# Altium PCB MODULE_4x100_RJ45_V1.0.PcbDoc (part 2 of 2)
Units mm, origin at the board's own origin, x right, y up, seen from the top; angles counter-clockwise.
Board outline 87.3 x 95.5 mm, 4 copper layers (Top Layer, Int1 (GND), Int2 (PWR), Bottom Layer), stack 1.369 mm thick; 187 components, 140 nets, 657 pads, 222 vias.
Unrouted connection lines stored in the file: 3.
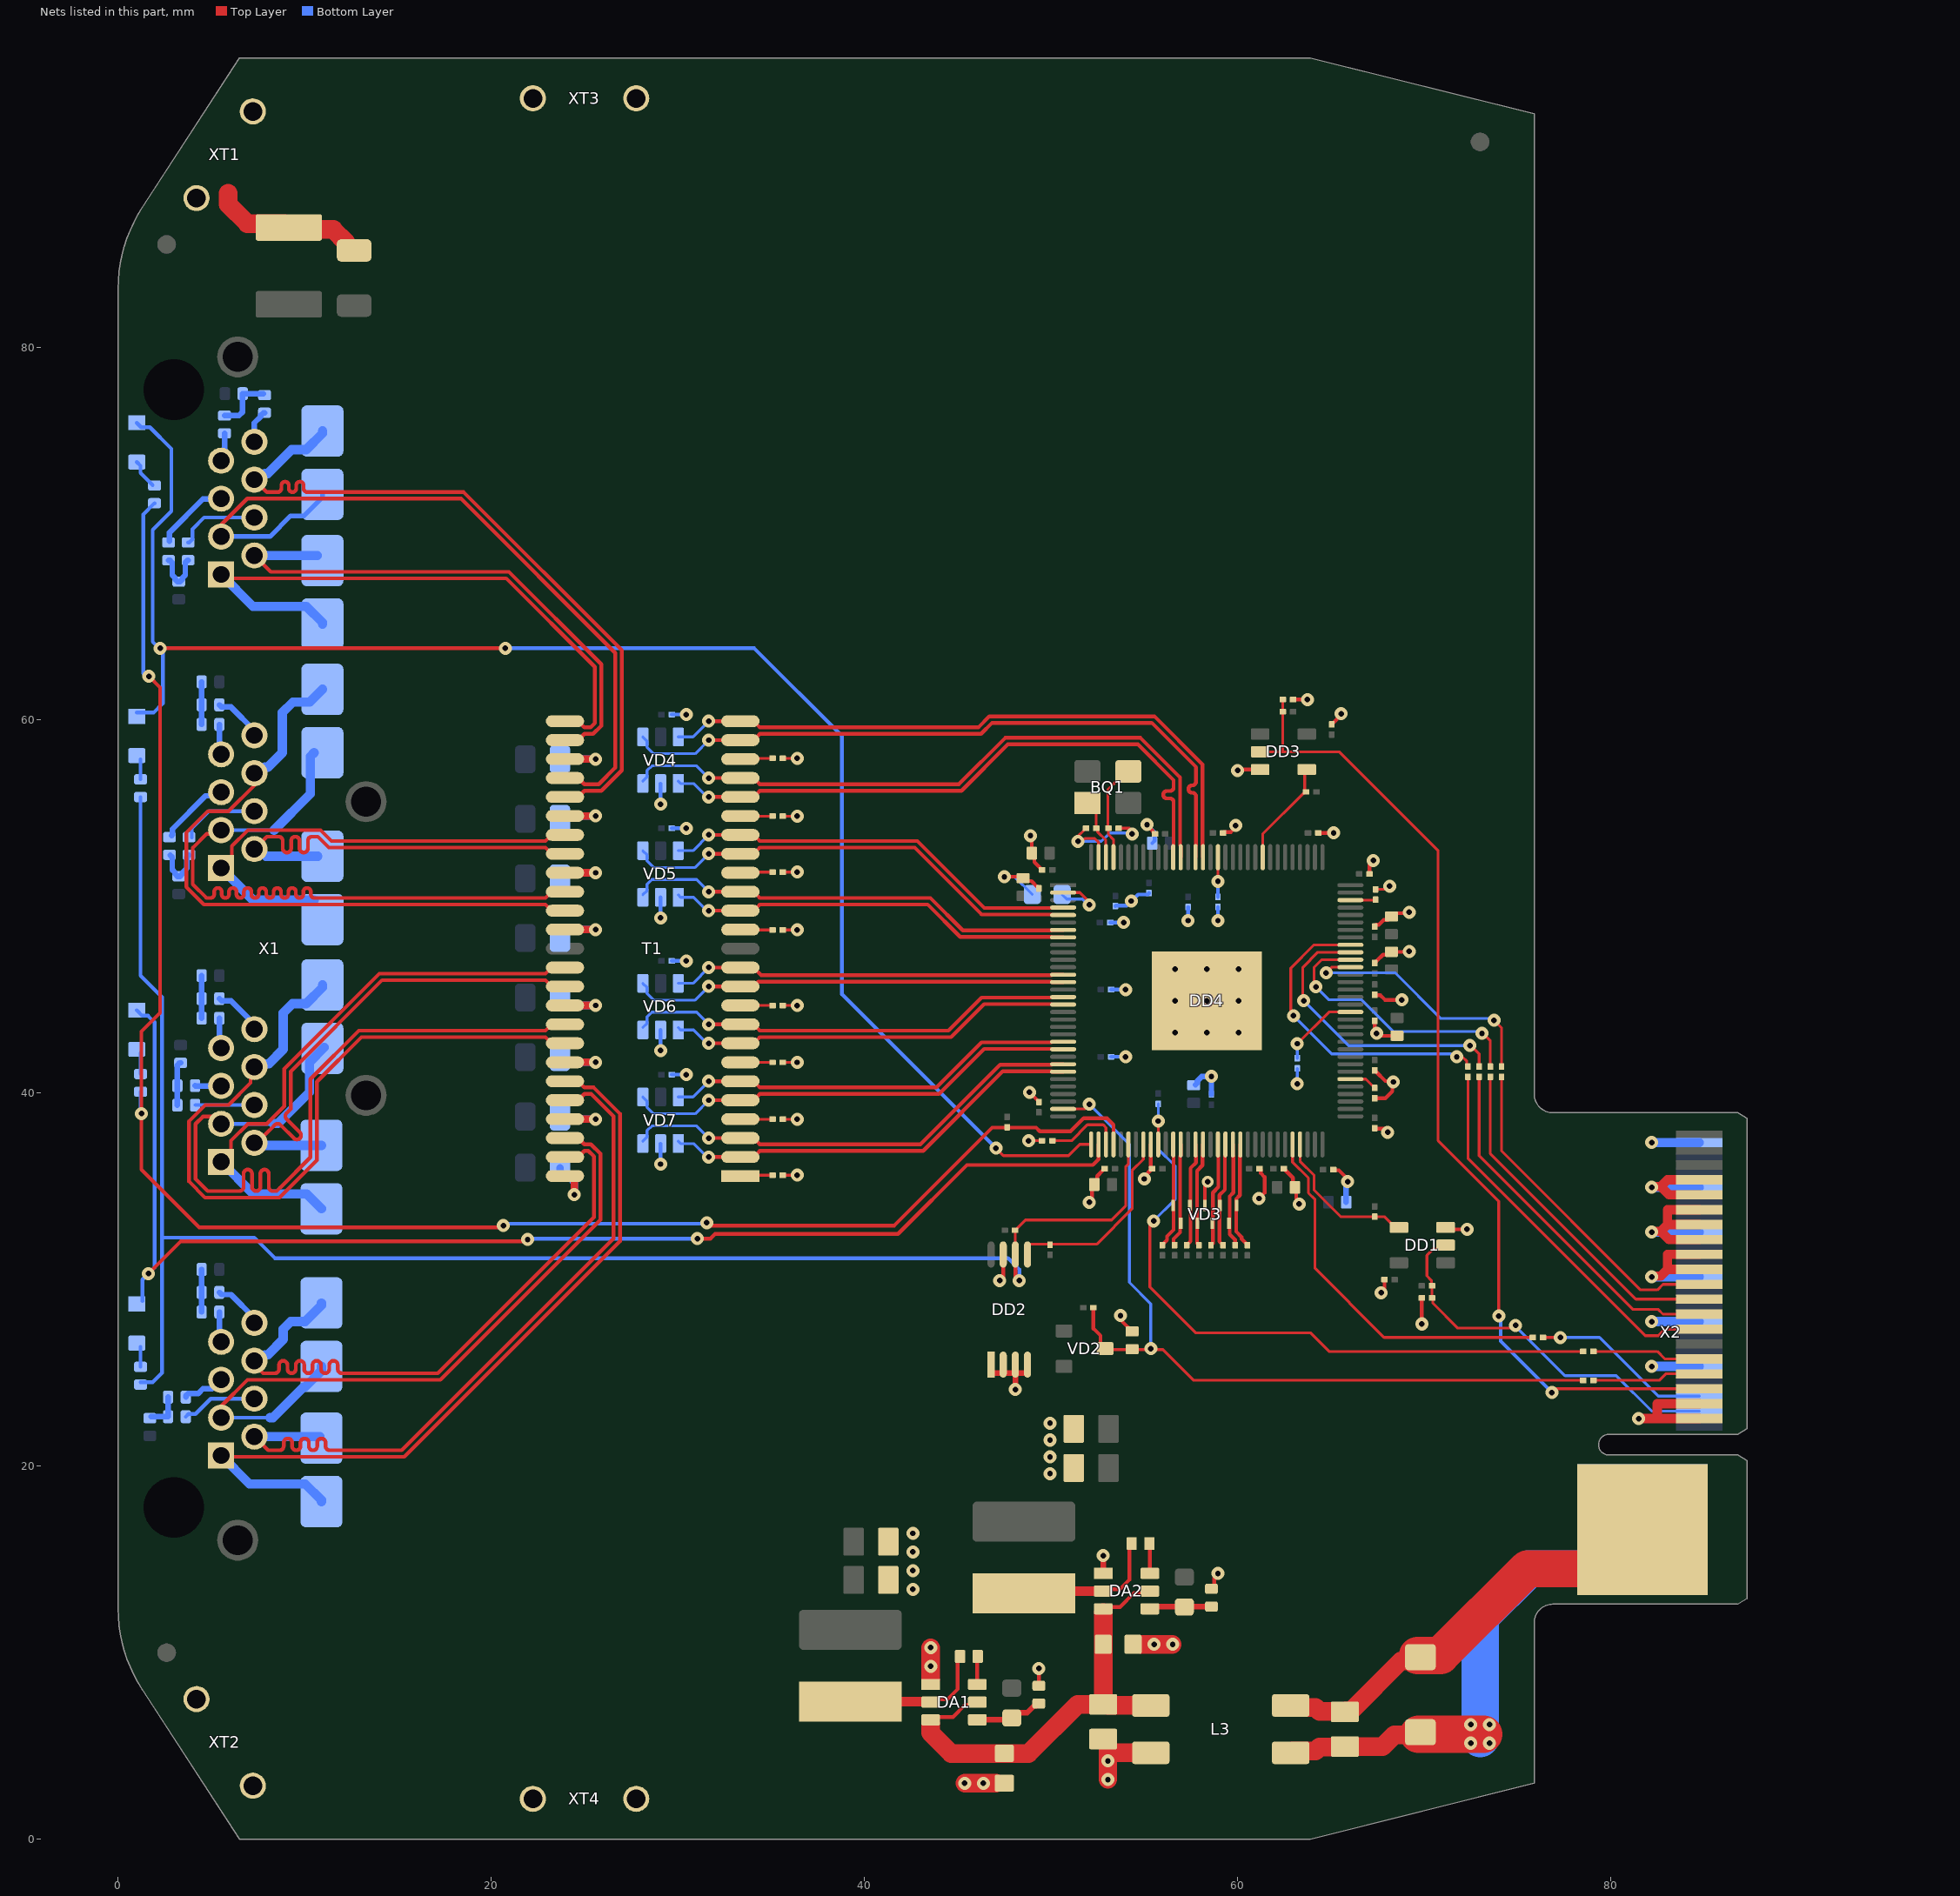
[diagram p4: the nets of this part, all layers, seen from the top]

## Via types
v1: diameter 0.7, hole 0.3, Top Layer to Bottom Layer, tented both sides, 212 vias
v2: diameter 0.7, hole 0.3, Top Layer to Bottom Layer, tented bottom, 9 vias
v3: diameter 0.65, hole 0.3, Top Layer to Bottom Layer, tented both sides, 1 vias

## Nets (pads, with @x,y where several pads share a name; then routed paths per layer and width w, separated by ;. In a path a pad name is that pad's centre, name@x,y a point inside that pad or via, vN(x,y) a via of type N, cw(c..) or ccw(c..) an arc to the next point about the centre after c; other vN are vias at no path point) (continued)
GND: C1.2 C2.2 C6.2 C7.2 C8.1 C9.2 C10.2 C11.2 C12.1 C13.2 C14.1 C15.1 C16.2 C17.1 C18.1 C19.1 C20.2 C21.2 C22.1 C23.1 C26.2 C27.1 C28.1 C29.2 C30.1 C31.1 C32.2 C33.1 C34.1 C35.2 C36.2 C37.1 C38.2 C39.1 C40.2 C41.1 C42.1 C43.1 C44.1 C45.1 C46.1 C47.1 C48.1 C49.1 C50.1 C59.2 C60.2 C61.2 C62.2 C63.2 C64.2 C65.2 C66.2 C67.2 C68.2 C69.2 C70.2 DA1.1 DA2.1 DD1.3 DD2.1 DD2.2 DD2.3 DD2.4 DD2.7 DD3.3 DD4.41 DD4.EP L3.4 R2.2 R4.2 R9.2 R13.2 R23.2 R24.2 R25.1 R26.1 R27.1 R28.2 VD3.3 VD4.2 VD5.2 VD6.2 VD7.2 X2.1 X2.3 X2.10 X2.16 X2.21 X2.22 X2.23 X2.25 X2.27 X2.28 X2.29 X2.31 X2.33 X2.34 X2.40 | length 121.5
  Top Layer w0.15: C70.2@35.625,35.6 v1(36.4,35.6) ; C69.2@35.625,38.6 v1(36.4,38.6) ; C68.2@35.625,41.65 v1(36.4,41.65) ; C67.2@35.625,44.7 v1(36.4,44.7) ; C66.2@35.625,48.75 v1(36.4,48.75) ; C65.2@35.625,51.85 v1(36.4,51.85) ; C64.2@35.625,54.85 v1(36.4,54.85) ; C63.2@35.625,57.95 v1(36.4,57.95) ; v1(48.8,37.45) R28.2@49.525,37.45 ; R26.1@67.4,50.925 67.975,50.925 v1(68.15,51.1)
  Top Layer w0.2: v1(47.25,29.95) 47.44,30.14 DD2.7@47.44,31.346 ; v1(47.5,51.6) 48.425,51.6 C48.1@48.5,51.525 48.656,51.369 48.956,51.369 49.275,51.05 49.3,51.05 49.35,51 C44.1@49.35,50.975 ; v1(48.85,40.05) 49.35,39.55 C26.2@49.35,39.525 ; v1(48.9,53.8) 48.975,53.725 C21.2@48.975,52.87 49.109,52.737 49.109,52.391 49.195,52.305 49.195,52.3 49.45,52.045 49.45,52.02 49.5,51.97 C29.2@49.525,51.97 ; R2.2@49.35,8.225 v1(49.35,9.15) ; v1(52.05,34.15) 52.2,34.3 52.2,34.975 C13.2@52.325,35.1 52.481,35.256 52.481,35.556 52.8,35.875 52.8,35.9 52.85,35.95 C16.2@52.875,35.95 ; v1@53.75,28.1 v1(53.725,28.075) 53.725,27.85 54.105,27.47 54.105,27.4 54.28,27.225 C19.1@54.35,27.225 ; v1@55.05,35.35 55.05,35.575 55.35,35.875 55.35,35.9 C35.2@55.4,35.95 ; v1(55.15,54.4) 55.15,54.362 55.475,54.037 55.475,53.975 55.55,53.9 C17.1@55.575,53.9 ; DD4.41@55.35,37.25 55.35,36 C35.2@55.4,35.95 ; C35.2@55.425,35.95 C35.2@55.4,35.95 ; VD3.3@58.25,33.975 58.25,35.1 v3(58.4,35.25) ; R4.2@58.6,13.425 58.75,13.575 58.75,14 v1@58.95,14.2 ; C34.1@59.225,53.95 59.275,54 59.417,54 59.65,54 v1@59.9,54.25 ; v1@60,57.35 DD3.3@61.21,57.35 ; C38.2@61.175,35.95 61.2,35.95 61.25,35.9 61.25,35.7 61.45,35.5 61.45,34.65 v1@61.2,34.4 ; C41.1@62.475,35.95 62.5,35.95 62.55,35.9 62.55,35.875 62.969,35.456 62.969,35.056 C42.1@63.075,34.95 63.15,34.875 63.15,34.2 v1(63.3,34.05) ; R13.2@62.975,61.1 v1(63.75,61.1) ; C30.1@64.325,53.95 v1(65.15,53.95) ; C20.2@65.05,59.775 65.05,59.8 65.1,59.85 65.125,59.85 65.55,60.275 v1(65.55,60.338) v1@65.55,60.4 ; C18.1@65.135,35.9 65.168,35.867 65.433,35.867 65.9,35.4 v1(65.9,35.25) ; C37.1@67.075,51.75 v1@67.075,52.475 ; R25.1@67.35,39.725 67.925,39.725 68.3,40.1 68.3,40.65 67.925,40.65 67.425,41.15 67.4,41.15 67.35,41.2 C15.1@67.35,41.225 ; C50.1@67.35,45.275 67.378,45.247 67.653,45.247 67.9,45 v1@68.7,45 ; C40.2@67.35,38.1 v1@68.05,38.1 ; C36.2@67.35,43.875 67.35,43.4 v1@67.55,43.2 ; C33.1@67.35,46.975 67.35,47 67.425,47.075 67.45,47.075 67.797,47.422 68.097,47.422 C31.1@68.25,47.575 v1@69.175,47.575 ; C28.1@67.35,48.925 67.35,48.95 67.425,49.025 67.575,49.025 67.835,49.285 68.06,49.285 C23.1@68.25,49.475 68.425,49.65 69.15,49.65 v1(69.2,49.7) ; v1@67.585,43.2 67.71,43.075 C32.2@68.55,43.075 ; v1(67.7,29.3) 67.875,29.475 C11.2@67.875,29.95 ; v1(69.875,27.625) R9.2@69.875,29.02 ; DD1.3@71.15,32.8 71.25,32.7 v1(72.3,32.7)
  Top Layer w0.3: DD2.1@46.79,24.996 DD2.3@48.09,24.996 ; v1(48.09,24.11) DD2.3@48.09,24.996 ; DD2.3@48.09,25.446 DD2.3@48.09,24.996 ; DD2.4@48.74,24.996 DD2.3@48.09,24.996 ; DA2.1@52.8,14.25 v1(52.8,15.2)
  Top Layer w0.5: v1(81.5,22.55) 82.5,22.55 ; v1(82.2,30.15) 82.238,30.188 82.688,30.188 83.05,30.55 ; v1(82.2,32.55) 82.238,32.588 82.688,32.588 ; v1(82.2,34.95) 82.238,34.988 82.688,34.988 ; X2.1@84.75,22.55 82.5,22.55 ; X2.3@84.75,23.35 82.5,23.35 82.5,22.55 ; X2.21@84.75,30.55 83.05,30.55 ; X2.23@84.75,31.35 83.05,31.35 83.05,30.55 ; X2.25@84.75,32.15 83.127,32.15 82.688,32.588 ; X2.27@84.75,32.95 83.05,32.95 ; X2.29@84.75,33.75 83.05,33.75 83.05,32.95 ; X2.31@84.75,34.55 83.127,34.55 82.688,34.988 ; X2.33@84.75,35.35 83.05,35.35 82.688,34.988 ; 82.688,32.588 83.05,32.95
  Top Layer w1: 43.55,8.6 v1(43.55,9.275) v1@43.55,10.25 ; v1@45.4,3 v1(46.375,3) C1.2@47.05,3 ; C8.1@52.8,5.37 53,5.37 53.05,5.32 53.05,4.63 ; v1@53.05,3.22 v1(53.05,4.195) 53.05,4.63 ; C2.2@54.85,10.45 v1(55.525,10.45) v1@56.5,10.45 ; L3.4@55.35,4.63 53.05,4.63
  Bottom Layer w0.15: v1(47.5,51.6) 48.05,51.6 R27.1@49,50.65 ; v1(63.2,40.5) R23.2@63.2,41.325
  Bottom Layer w0.2: v1(29.075,36.192) VD7.2@29.075,37.292 ; v1(29.075,42.288) VD6.2@29.075,43.388 ; v1(29.075,49.4) VD5.2@29.075,50.5 ; v1(29.075,55.496) VD4.2@29.075,56.596 ; C62.2@29.675,40.992 v1(30.45,40.992) ; C61.2@29.675,47.088 v1(30.45,47.088) ; C60.2@29.675,54.2 v1(30.45,54.2) ; C59.2@29.675,60.296 v1(30.45,60.296) ; C43.1@53.175,49.15 v1(53.9,49.15) ; C47.1@53.225,41.95 v1(54,41.95) ; C45.1@53.225,45.55 v1@53.9,45.55 ; C46.1@53.45,50.025 53.475,50.05 54.05,50.05 v1(54.3,50.3) 54.317,50.3 54.667,50.65 55.175,50.65 55.2,50.65 55.25,50.7 C39.1@55.25,50.725 ; v1(55.15,54.4) 55.55,54 55.55,53.525 C14.1@55.425,53.4 ; v1(57.35,49.25) C49.1@57.35,49.975 ; v1(58.95,49.25) R24.2@58.95,49.975
  Bottom Layer w0.3: C22.1@57.75,40.45 57.845,40.545 57.845,40.645 58.084,40.884 58.584,40.884 v1(58.6,40.9) ; C27.1@58.6,39.925 58.6,40.02 v1@58.6,40.8 ; C12.1@65.825,34.15 v1@65.825,35.175
  Bottom Layer w0.5: v1(82.2,25.35) X2.10@84.75,25.35 ; v1(82.2,27.75) X2.16@84.75,27.75 ; v1(82.2,30.15) X2.22@84.75,30.15 ; v1(82.2,32.55) X2.28@84.75,32.55 ; v1(82.2,34.95) X2.34@84.75,34.95 ; v1(82.2,37.35) X2.40@84.75,37.35
  other v1: 45.375,3 53.05,3.195 43.55,10.275 56.525,10.45 42.6,13.4 58.95,14.25 42.6,14.4 42.6,15.4 42.6,16.4 49.95,19.6 49.95,20.5 49.95,21.4 49.95,22.3 61.15,34.35 55,35.4 68.05,37.9 68.35,40.6 67.45,43.2 68.8,45 54,45.55 69.2,47.6 67.275,52.475 59.9,54.35 60,57.3
  other v2: 56.65,43.25 58.35,43.25 60.05,43.25 56.65,44.95 58.35,44.95 60.05,44.95 56.65,46.65 58.35,46.65 60.05,46.65
INT: R7.2 X2.9 | length 5.8
  Top Layer w0.15: R7.2@79.075,26.15 82.5,26.15 82.9,25.75 X2.9@84.75,25.75
LED0_A: DD4.36 R17.2 R29.1 R31.1 | length 95.3
  Top Layer w0.2: v1(1.65,62.35) 2.25,61.75 2.25,44.3 1.25,43.3 v1(1.25,38.9) 1.25,35.9 4.35,32.8 20.55,32.8 v1(20.65,32.9) ; v1@31.55,32.9 v1@31.7,32.9 ; v1(31.55,33.05) v1@31.7,32.9 ; DD4.36@53.35,37.25 53.35,38.3 53,38.65 51.75,38.65 51.05,37.95 49.4,37.95 49.2,38.15 46.85,38.15 41.6,32.9 v1@31.7,32.9
  Bottom Layer w0.2: R31.1@1.2,40.075 1.2,38.95 v1(1.25,38.9) ; v1@1.5,62.35 1.35,62.5 1.35,71.025 R29.1@1.95,71.625 ; v1(20.65,32.9) 20.746,32.996 21.013,32.996 21.017,33 v1@31.5,33
LED0_C: DD4.33 HL1.C HL2.C | length 87.9
  Top Layer w0.15: v1(47.05,37.05) 47.45,36.65 50.95,36.65 51.55,37.25 DD4.33@52.15,37.25
  Top Layer w0.2: v1(2.25,63.85) v1(20.75,63.85)
  Bottom Layer w0.2: HL2.C@1,60.4 1.9,60.4 2.4,60.9 2.4,63.65 1.85,64.2 1.85,70.2 2.85,71.2 2.85,74.55 1.7,75.7 1.237,75.7 HL1.C@1,75.937 ; v1(20.75,63.85) 34.1,63.85 38.8,59.15 38.8,45.3 v1(47.05,37.05)
LED1_A: DD2.6 DD4.38 R14.1 R30.1 R32.1 | length 92.5
  Top Layer w0.15: DD2.6@48.09,31.346 48.09,32.665 48.625,33.2 53.25,33.2 54,33.95 54,36.05 54.15,36.2 DD4.38@54.15,37.25
  Top Layer w0.2: v1@48.1,29.95 DD2.6@48.1,31.336
  Bottom Layer w0.2: R32.1@1.2,24.5 1.85,24.5 2.35,25 2.35,32.25 ; R30.1@1.2,55.875 1.2,46.3 2.35,45.15 2.35,32.25 ; v1(48.3,29.95) 48.3,30.55 47.7,31.15 8.4,31.15 7.3,32.25 2.35,32.25
LED1_C: DD4.34 HL3.C HL4.C | length 70.6
  Top Layer w0.2: v1(1.625,30.325) 3.35,32.05 21.85,32.05 v1(21.95,32.15) ; v1(31.05,32.2) 31.75,32.2 32,32.45 41.8,32.45 45.5,36.15 52.25,36.15 52.55,36.45 DD4.34@52.55,37.25
  Bottom Layer w0.2: HL3.C@1,44.447 1.297,44.15 1.6,44.15 1.95,43.8 1.95,30.65 v1(1.625,30.325) 1.3,30 HL4.C@1.3,28.85 ; v1@22,32.2 v1(31.05,32.2)
MDC: DD1.4 DD4.61 R10.1 | length 7.9
  Top Layer w0.15: DD4.61@63.35,37.25 63.35,36.35 64.1,35.6 64.1,34.8 65.525,33.375 R10.1@67.35,33.375 67.875,33.375 DD1.4@68.45,32.8
MDC_CPU: DD1.2 R5.1 R9.1 X2.4 | length 20.5
  Top Layer w0.15: DD1.2@71.15,31.85 70.95,31.65 70.5,31.65 70.15,31.3 70.15,30.2 70.393,29.957 70.393,29.702 R5.1@70.425,29.67 R9.1@70.425,29.02 70.465,28.98 70.465,28.735 71.8,27.4 74.75,27.4 v1(74.9,27.55)
  Bottom Layer w0.15: v1@75.05,27.35 77.55,24.85 80.3,24.85 82.2,22.95 X2.4@84.75,22.95
MDIO: DD4.60 R6.1 | length 20.4
  Top Layer w0.15: DD4.60@62.95,37.25 62.95,36.3 63.8,35.45 63.8,34.65 64.15,34.3 64.15,30.6 67.85,26.9 R6.1@75.825,26.9
MDIO_CPU: R6.2 X2.6 | length 9.7
  Top Layer w0.15: R6.2@76.375,26.9 v1(77.3,26.9)
  Bottom Layer w0.15: v1(77.3,26.9) 79.4,26.9 82.55,23.75 X2.6@84.75,23.75
NetBQ1_1: BQ1.1 C24.2 DD4.126 | length 3.3
  Top Layer w0.15: BQ1.1@51.95,55.55 52.425,55.075 C24.2@52.425,54.2 52.5,54.125 52.5,54 52.937,53.563 52.937,52.663 DD4.126@52.95,52.65
NetBQ1_3: BQ1.3 C25.2 DD4.125 | length 5.3
  Top Layer w0.15: C25.2@53.05,54.225 53.05,56.279 53.571,56.8 53.571,56.971 BQ1.3@54.05,57.45 ; C25.2@53.075,54.2 53.075,53.875 53.35,53.6 DD4.125@53.35,52.65
NetC1_1: C1.1 C2.1 C8.2 DA1.3 DA1.5 DA2.3 DA2.5 L3.3 | length 24.4
  Top Layer w0.2: DA1.3@43.55,6.4 43.7,6.55 44.75,6.55 45.41,7.21 45.91,7.21 DA1.5@46.05,7.35 ; DA2.3@52.8,12.35 52.9,12.45 53.7,12.45 54.45,13.2 55.2,13.2 DA2.5@55.3,13.3
  Top Layer w1: DA1.3@43.55,6.2 43.55,5.7 44.65,4.6 C1.1@47.5,4.6 48.8,4.6 51.43,7.23 C8.2@52.8,7.23 C2.1@52.8,10.45 DA2.3@52.8,12.15 ; C8.2@53,7.23 53.06,7.17 L3.3@55.35,7.17
NetC3_1: C3.1 DA1.2 L1.1 | length 7.7
  Top Layer w0.2: DA1.2@43.55,7.35 43.7,7.5 44.45,7.5 45,8.05 C3.1@45,9.675
  Top Layer w0.5: L1.1@39.25,7.375 43.525,7.375 DA1.2@43.55,7.35
NetC3_2: C3.2 DA1.6 | length 1.5
  Top Layer w0.2: DA1.6@46.05,8.3 46.05,9.775 C3.2@46.075,9.8
NetC4_1: C4.1 DA2.2 L2.1 | length 7.8
  Top Layer w0.2: DA2.2@52.8,13.3 52.9,13.4 53.7,13.4 54.2,13.9 54.2,15.725 C4.1@54.325,15.85
  Top Layer w0.5: L2.1@48.675,13.3 DA2.2@52.8,13.3
NetC4_2: C4.2 DA2.6 | length 1.6
  Top Layer w0.2: DA2.6@55.3,14.25 C4.2@55.3,15.825
NetC24_1: C24.1 C25.1 DD4.127 | length 6.4
  Top Layer w0.15: C24.1@51.875,54.2 51.85,54.2 51.775,54.125 51.775,54.1 51.45,53.775 v1(51.45,53.5) 51.555,53.605 51.768,53.605 51.813,53.65 52.35,53.65 52.55,53.45 DD4.127@52.55,52.65 ; C25.1@53.625,54.2 v1@54.2,54.2
  Bottom Layer w0.15: v1(51.45,53.5) 52.7,53.5 53.15,53.95 v1@54.15,53.95
  other v1: 54.35,53.9
NetC63_1: C63.1 T1.23 | length 1.7
  Top Layer w0.15: T1.23@33.392,57.95 C63.1@35.075,57.95
NetC64_1: C64.1 T1.20 | length 1.7
  Top Layer w0.15: T1.20@33.392,54.85 C64.1@35.075,54.85
NetC65_1: C65.1 T1.17 | length 1.7
  Top Layer w0.15: T1.17@33.392,51.85 C65.1@35.075,51.85
NetC66_1: C66.1 T1.14 | length 1.7
  Top Layer w0.15: T1.14@33.392,48.75 C66.1@35.075,48.75
NetC67_1: C67.1 T1.10 | length 1.7
  Top Layer w0.15: T1.10@33.392,44.7 C67.1@35.075,44.7
NetC68_1: C68.1 T1.7 | length 1.7
  Top Layer w0.15: T1.7@33.392,41.65 C68.1@35.075,41.65
NetC69_1: C69.1 T1.4 | length 1.7
  Top Layer w0.15: T1.4@33.392,38.6 C69.1@35.075,38.6
NetC70_1: C70.1 T1.1 | length 1.7
  Top Layer w0.15: T1.1@33.392,35.6 C70.1@35.075,35.6
NetDA1_4: DA1.4 R1.1 R2.1 | length 3.7
  Top Layer w0.3: DA1.4@46.05,6.4 47.8,6.4 R1.1@47.9,6.5 48.176,6.776 48.726,6.776 49.1,7.15 49.225,7.15 R2.1@49.35,7.275
NetDA2_4: DA2.4 R3.1 R4.1 | length 3.4
  Top Layer w0.3: DA2.4@55.3,12.35 55.425,12.475 R4.1@58.6,12.475
NetDD2_5: DD2.5 DD4.40 R15.1 | length 10
  Top Layer w0.15: DD2.5@48.8,31.9 52.45,31.9 54.35,33.8 54.35,35.85 54.95,36.45 DD4.40@54.95,37.25
NetDD3_4: DD3.4 DD4.105 R16.1 | length 5.7
  Top Layer w0.15: DD4.105@61.35,52.65 61.35,53.9 63.525,56.075 63.6,56.075 63.6,57.24 DD3.4@63.71,57.35
NetDD4_2: DD4.2 R27.2 | length 3.4
  Top Layer w0.15: DD4.2@50.65,50.75 51.55,50.75 52.05,50.25 v1(52.05,50.1)
  Bottom Layer w0.15: R27.2@50.6,50.65 50.85,50.4 51.687,50.4 51.987,50.1 v1(52.05,50.1)
NetDD4_35: DD4.35 R28.1 | length 4.2
  Top Layer w0.15: R28.1@50.1,37.45 51.1,37.45 51.95,38.3 52.8,38.3 52.95,38.15 DD4.35@52.95,37.25
NetDD4_70: DD4.70 R25.2 | length 1.5
  Top Layer w0.15: DD4.70@66.05,40.75 66.875,40.75 67.25,40.375 67.275,40.375 R25.2@67.35,40.3
NetDD4_79: DD4.79 R23.1 | length 4.3
  Top Layer w0.15: v1(63.2,42.65) 64.9,44.35 DD4.79@66.05,44.35
  Bottom Layer w0.15: R23.1@63.2,41.875 v1(63.2,42.65)
NetDD4_85: DD4.85 R22.2 | length 14.1
  Top Layer w0.15: v1(64.75,46.45) 65.05,46.75 DD4.85@66.05,46.75 ; v1@73.7,43.95 v1(73.75,43.9) 74.15,43.5 R22.2@74.15,41.425
  Bottom Layer w0.15: v1(64.75,46.45) 68.45,46.45 70.9,44 v1@73.65,44
NetDD4_86: DD4.86 R21.2 | length 14.9
  Top Layer w0.15: v1@64.1,45.7 64.1,46.75 64.5,47.15 DD4.86@66.05,47.15 ; v1@73.25,43.1 73.55,42.8 R21.2@73.55,41.425
  Bottom Layer w0.15: v1(64.2,45.7) 64.9,45 66.65,45 68.35,43.3 72.887,43.3 72.987,43.2 v1(73.1,43.2)
NetDD4_87: DD4.87 R20.2 | length 16
  Top Layer w0.15: v1@63.5,44.8 63.5,46.75 64.3,47.55 DD4.87@66.05,47.55 ; v1@72.55,42.5 72.95,42.1 R20.2@72.95,41.425
  Bottom Layer w0.15: v1(63.55,44.95) 65.95,42.55 v1(72.45,42.55)
NetDD4_88: DD4.88 R19.2 | length 17
  Top Layer w0.15: v1@63,44 62.85,44.15 62.85,46.7 64.1,47.95 DD4.88@66.05,47.95 ; v1@71.85,41.95 72.05,41.95 72.288,41.712 72.288,41.487 R19.2@72.35,41.425
  Bottom Layer w0.15: v1(63,44.15) 65.05,42.1 71.451,42.1 71.601,41.95 v1(71.75,41.95)
NetDD4_94: DD4.94 R26.2 | length 1.3
  Top Layer w0.15: DD4.94@66.05,50.35 R26.2@67.375,50.35
NetDD4_111: DD4.111 R24.1 | length 2.1
  Top Layer w0.15: v1(58.95,51.35) DD4.111@58.95,52.65
  Bottom Layer w0.2: R24.1@58.95,50.525 v1(58.95,51.35)
NetHL1_A: HL1.A R29.2 | length 1.6
  Bottom Layer w0.2: HL1.A@1,73.837 1.2,73.637 1.2,73.25 R29.2@1.85,72.6
NetHL2_A: HL2.A R30.2 | length 1.1
  Bottom Layer w0.2: R30.2@1.2,56.825 HL2.A@1.2,57.897
NetHL3_A: HL3.A R31.2 | length 1.1
  Bottom Layer w0.2: R31.2@1.2,41.025 HL3.A@1.2,42.147
NetHL4_A: HL4.A R32.2 | length 1.1
  Bottom Layer w0.2: R32.2@1.2,25.325 HL4.A@1.2,26.397
NetR33_1: R33.1 T1.28 | length 3.5
  Top Layer w0.4: T1.28@23.95,57.91 v1(25.59,57.91)
  Bottom Layer w0.4: R33.1@23.69,57.91 v1(25.59,57.91)
NetR34_1: R34.1 T1.31 | length 3.5
  Top Layer w0.4: T1.31@23.95,54.862 v1(25.59,54.862)
  Bottom Layer w0.4: R34.1@23.69,54.862 v1(25.59,54.862)
NetR35_1: R35.1 T1.34 | length 3.5
  Top Layer w0.4: T1.34@23.95,51.814 v1(25.59,51.814)
  Bottom Layer w0.4: R35.1@23.69,51.814 v1(25.59,51.814)
NetR36_1: R36.1 T1.37 | length 3.5
  Top Layer w0.4: T1.37@23.95,48.766 v1(25.59,48.766)
  Bottom Layer w0.4: R36.1@23.69,48.766 v1(25.59,48.766)
NetR37_1: R37.1 T1.41 | length 3.5
  Top Layer w0.4: T1.41@23.95,44.702 v1(25.59,44.702)
  Bottom Layer w0.4: R37.1@23.69,44.702 v1(25.59,44.702)
NetR38_1: R38.1 T1.44 | length 3.5
  Top Layer w0.4: T1.44@23.95,41.654 v1(25.59,41.654)
  Bottom Layer w0.4: R38.1@23.69,41.654 v1(25.59,41.654)
NetR39_1: R39.1 T1.47 | length 3.5
  Top Layer w0.4: T1.47@23.95,38.606 v1(25.59,38.606)
  Bottom Layer w0.4: R39.1@23.69,38.606 v1(25.59,38.606)
NetR40_1: R40.1 T1.50 | length 3.4
  Top Layer w0.4: T1.50@23.95,35.558 24.45,35.558 v1(24.45,34.55)
  Bottom Layer w0.4: R40.1@23.68,36 23.68,35.838 24.075,35.443 24.231,35.443 24.45,35.224 v1(24.45,34.55)
NetR41_1: R41.1 R45.1 R46.2 | length 2.9
  Bottom Layer w0.3: R45.1@2.7,68.575 2.77,68.575 2.895,68.45 2.895,68.38 2.9,68.375 2.9,67.775 3.055,67.62 3.055,67.55 3.18,67.425 R46.2@3.25,67.425 3.32,67.425 3.445,67.55 3.445,67.62 3.6,67.775 3.6,68.45 3.725,68.575 R41.1@3.75,68.575
NetR41_2: R41.2 X1.A4 | length 4.4
  Bottom Layer w0.2: R41.2@3.75,69.525 3.811,69.525 3.985,69.699 3.985,70.235 4.608,70.858 X1.A4@7.301,70.858
NetR42_1: R42.1 R47.1 R48.2 | length 2.8
  Bottom Layer w0.3: R47.1@2.8,52.75 2.9,52.65 2.9,51.975 3.055,51.82 3.055,51.75 3.18,51.625 R48.2@3.25,51.625 3.32,51.625 3.445,51.75 3.445,51.82 3.675,52.05 3.675,52.65 3.775,52.75 R42.1@3.8,52.75
NetR42_2: R42.2 X1.B4 | length 4.2
  Bottom Layer w0.2: R42.2@3.95,53.7 3.95,54.2 4.868,55.118 X1.B4@7.301,55.118
NetR43_1: R43.1 R49.1 R50.2 | length 2.4
  Bottom Layer w0.3: R43.1@3.175,39.35 R49.1@3.175,40.4 3.175,41.5 3.3,41.625 R50.2@3.35,41.625
NetR43_2: R43.2 X1.C4 | length 3.2
  Bottom Layer w0.2: R43.2@4.143,39.368 X1.C4@7.301,39.368
NetR44_1: R44.1 R51.1 R52.2 | length 1.9
  Bottom Layer w0.3: R52.2@1.775,22.65 R44.1@2.675,22.65 R51.1@2.675,23.7
NetR44_2: R44.2 X1.D4 | length 4.1
  Bottom Layer w0.2: R44.2@3.625,22.65 3.775,22.8 4.15,22.8 4.968,23.618 X1.D4@7.301,23.618
NetR45_2: R45.2 X1.A5 | length 4
  Bottom Layer w0.3: R45.2@2.758,69.583 2.758,70.058 4.547,71.847 5.494,71.847 X1.A5@5.521,71.874
NetR47_2: R47.2 X1.B5 | length 3.8
  Bottom Layer w0.3: R47.2@2.858,53.8 2.908,53.85 2.908,54.158 4.69,55.94 5.327,55.94 X1.B5@5.521,56.134
NetR49_2: R49.2 X1.C5 | length 1.4
  Bottom Layer w0.3: R49.2@4.125,40.4 4.141,40.384 X1.C5@5.521,40.384
NetR51_2: R51.2 X1.D5 | length 2.3
  Bottom Layer w0.3: R51.2@3.625,23.7 3.625,23.77 3.75,23.895 3.82,23.895 3.825,23.9 4.3,23.9 4.55,24.15 5.037,24.15 X1.D5@5.521,24.634
NetR53_1: R53.1 R57.1 R58.2 | length 3.1
  Bottom Layer w0.3: R53.1@5.7,76.325 6.475,76.325 6.675,76.525 R58.2@6.675,77.5 R57.1@7.775,77.5
NetR53_2: R53.2 X1.A7 | length 1.3
  Bottom Layer w0.3: X1.A7@5.7,74.085 R53.2@5.7,75.375
NetR54_1: R54.1 R59.1 R60.2 | length 2.3
  Bottom Layer w0.3: R54.1@4.475,59.765 R59.1@4.475,60.815 R60.2@4.475,62.05
NetR54_2: R54.2 X1.B7 | length 1.5
  Bottom Layer w0.3: X1.B7@5.425,58.262 R54.2@5.425,59.765
NetR55_1: R55.1 R61.1 R62.2 | length 2.3
  Bottom Layer w0.3: R55.1@4.475,44.015 R61.1@4.475,45.065 R62.2@4.475,46.3
NetR55_2: R55.2 X1.C7 | length 1.5
  Bottom Layer w0.3: X1.C7@5.425,42.512 R55.2@5.425,44.015
NetR56_1: R56.1 R63.1 R64.2 | length 2.3
  Bottom Layer w0.3: R56.1@4.475,28.265 R63.1@4.475,29.315 R64.2@4.475,30.55
NetR56_2: R56.2 X1.D7 | length 1.5
  Bottom Layer w0.3: X1.D7@5.425,26.762 R56.2@5.425,28.265
NetR57_2: R57.2 X1.A8 | length 1.8
  Bottom Layer w0.3: X1.A8@7.301,74.922 7.301,75.926 7.655,76.28 7.655,76.35 7.78,76.475 R57.2@7.85,76.475
NetR59_2: R59.2 X1.B8 | length 2.7
  Bottom Layer w0.3: R59.2@5.425,60.815 5.54,60.7 6.05,60.7 7.301,59.449 X1.B8@7.301,59.182
NetR61_2: R61.2 X1.C8 | length 2.7
  Bottom Layer w0.3: R61.2@5.425,45.065 5.54,44.95 6.05,44.95 7.301,43.699 X1.C8@7.301,43.432
NetR63_2: R63.2 X1.D8 | length 2.7
  Bottom Layer w0.3: R63.2@5.425,29.315 5.54,29.2 6.05,29.2 7.301,27.949 X1.D8@7.301,27.682
PORT0_RX_N: DD4.117 T1.21 VD4.1 | length 33.8
  Top Layer w0.199: v1(31.658,55.878) T1.21@33.35,55.878 34.058,55.878 34.392,56.212 45.204,56.212 47.692,58.7 54.658,58.7 56.576,56.782 56.576,56.6 56.576,56.595 56.576,56.396 cw(c56.377,56.396) 56.377,56.197 56.215,56.197 ccw(c56.215,55.998) 56.016,55.998 ccw(c56.215,55.998) 56.215,55.799 56.377,55.799 cw(c56.377,55.6) 56.576,55.6 56.576,53.726 56.576,53.272 56.55,53.246 DD4.117@56.55,52.65
  Bottom Layer w0.15: VD4.1@30.025,56.724 30.153,56.596 30.85,56.596 v1@31.613,55.833
PORT0_RX_P: DD4.116 T1.22 VD4.3 | length 35.9
  Top Layer w0.199: v1(31.658,56.894) T1.22@33.35,56.894 34.058,56.894 34.392,56.56 45.06,56.56 47.548,59.048 54.802,59.048 56.924,56.926 56.924,53.87 56.924,53.272 56.95,53.246 DD4.116@56.95,52.65
  Bottom Layer w0.15: VD4.3@28.125,56.724 28.35,56.949 28.35,57.296 28.6,57.546 31.006,57.546 v1(31.658,56.894)
PORT0_TX_N: DD4.114 T1.24 VD4.4 | length 37.2
  Top Layer w0.199: v1(31.658,58.926) T1.24@33.35,58.926 34.058,58.926 34.392,59.26 46.252,59.26 46.844,59.852 55.398,59.852 57.776,57.474 57.776,57.1 57.776,56.901 57.776,56.702 cw(c57.577,56.702) 57.577,56.503 57.565,56.503 ccw(c57.565,56.304) 57.366,56.304 ccw(c57.565,56.304) 57.565,56.105 57.577,56.105 cw(c57.577,55.906) 57.776,55.906 57.776,55.707 57.776,55.45 57.776,53.676 57.776,53.272 57.75,53.246 DD4.114@57.75,52.65